# Altium PCB Zeropilot 2.0.PcbDoc (part 2 of 2)
Units mil, origin at the board's own origin, x right, y up, seen from the top; angles counter-clockwise.
Board outline 2992.13 x 3346.46 mil, 4 copper layers (Top Layer, Layer 1, Layer 2, Bottom Layer), stack 23.756 mil thick; 158 components, 93 nets, 579 pads, 323 vias.
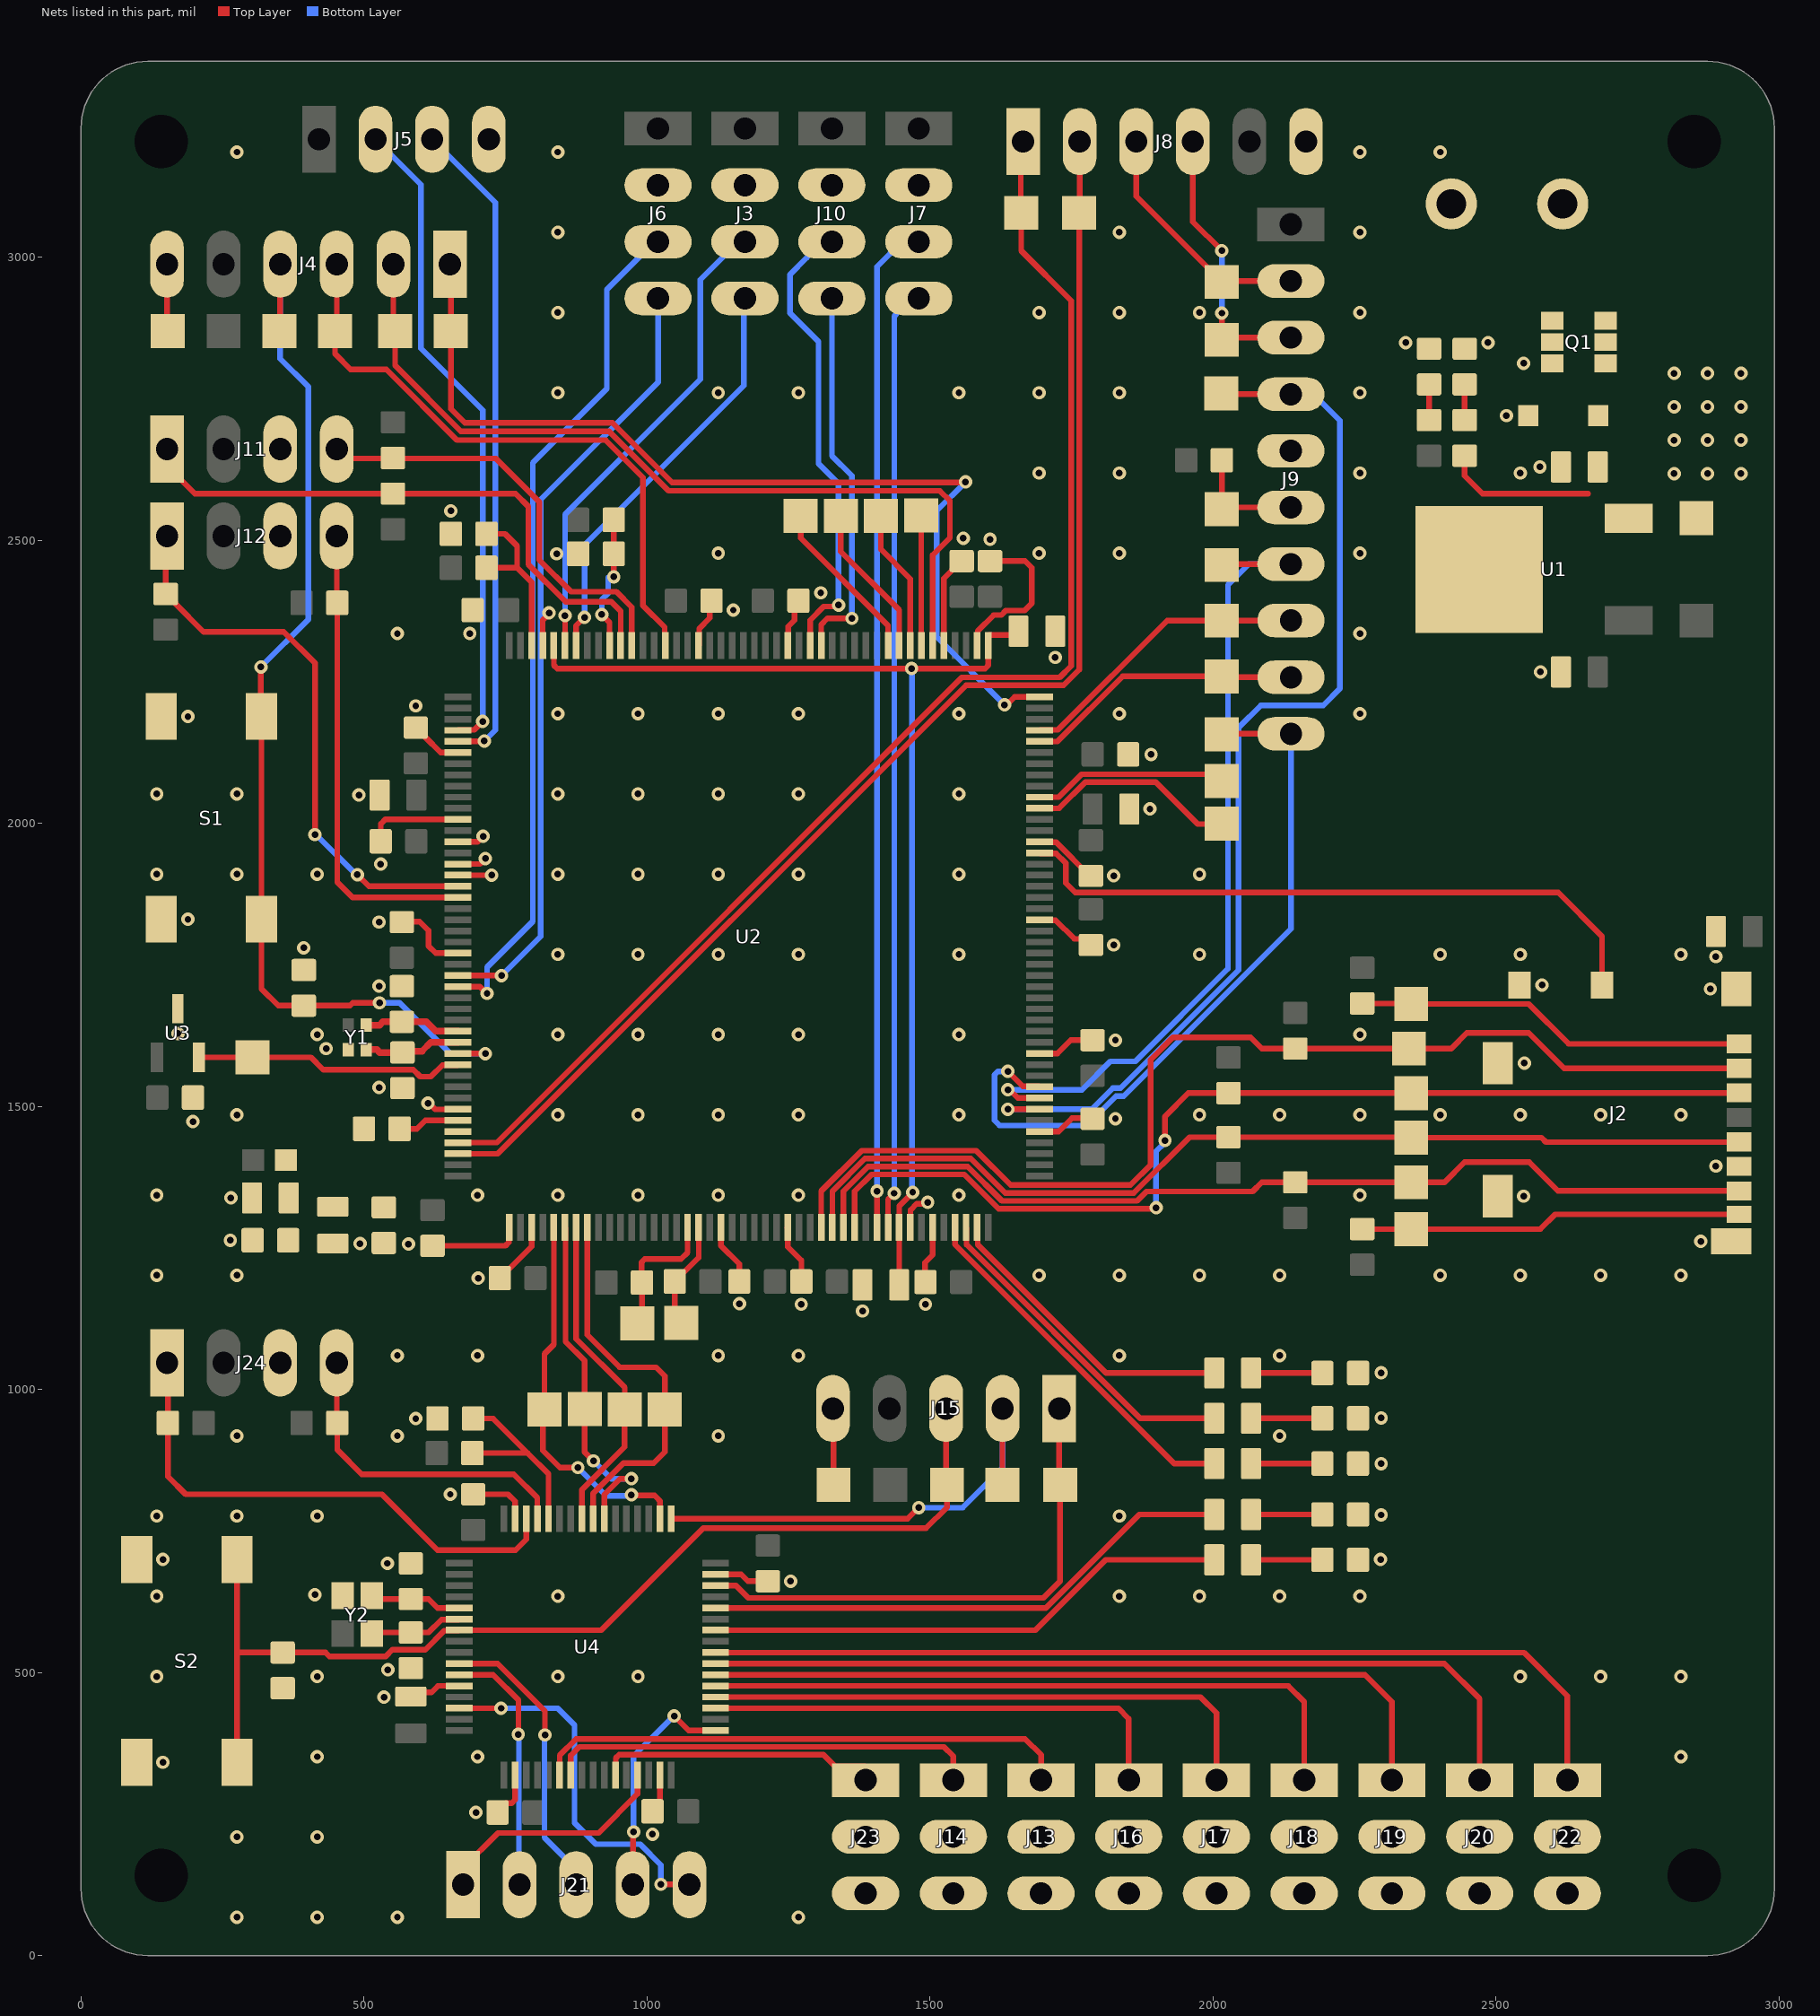
[diagram p4: the nets of this part, all layers, seen from the top]

## Via types
v1: diameter 23.62, hole 11.81, Top Layer to Bottom Layer, tented both sides, 271 vias
v2: diameter 23.62, hole 11.81, Top Layer to Layer 1, tented both sides, 25 vias
v3: diameter 23.62, hole 11.81, Top Layer to Layer 2, tented both sides, 22 vias
v4: diameter 23.62, hole 11.81, Top Layer to Bottom Layer, 5 vias

## Nets (pads, with @x,y where several pads share a name; then routed paths per layer and width w, separated by ;. In a path a pad name is that pad's centre, name@x,y a point inside that pad or via, vN(x,y) a via of type N, cw(c..) or ccw(c..) an arc to the next point about the centre after c; other vN are vias at no path point) (continued)
5V: C1.2 D1.2 J13.2 J14.2 J16.2 J17.2 J18.2 J19.2 J20.2 J22.2 J23.2 Q1.S R1.2 T1.1 U1.3 | length 267.3
  Top Layer w10: R1.2@2444.88,2649.61 2444.88,2614.17 2476.38,2582.68 2662.96,2582.68
  Top Layer w27.56: C1.2@2681.63,2640.29 C1.2@2682.12,2639.8
  other v1: 2814.96,2618.11 2874.02,2618.11 2933.07,2618.11 2814.96,2677.17 2874.02,2677.17 2933.07,2677.17 2814.96,2736.22 2874.02,2736.22 2933.07,2736.22 2814.96,2795.28 2874.02,2795.28 2933.07,2795.28
5V_PDB: J1.1 Q1.D
BOOT0_F0: R27.1 R28.2 U4.60 | length 350.9
  Top Layer w10: R27.1@691.5,887.76 789.41,887.76 ; R28.2@692.91,948.82 728.35,948.82 789.41,887.76 ; U4.60@826.1,771.77 826.1,851.06 789.41,887.76
BOOT0_H7: R15.1 R17.2 U2.167 | length 231.5
  Top Layer w10: v1(920.28,2369.09) 933.94,2355.43 U2.167@933.94,2314.17 ; v1(941.34,2435.63) R17.2@941.34,2476.38 R15.1@941.34,2536.38
  Bottom Layer w10: v1(920.28,2369.09) 920.28,2395.67 931.5,2406.89 v1@931.5,2434.65
GND: C1.1 C2.1 C3.1 C4.1 C5.1 C6.1 C7.1 C8.1 C9.1 C10.1 C11.1 C12.1 C13.1 C14.1 C15.1 C16.1 C17.1 C18.1 C19.1 C20.1 C21.1 C22.1 C23.1 C24.1 C25.1 C26.1 C27.1 C28.1 C29.1 C30.1 C31.1 C32.1 C33.1 C34.1 C35.1 C36.1 C37.1 C38.1 C39.1 C40.1 C41.1 D1.1 D2.2 D3.2 D4.2 D5.2 D6.2 D7.2 D8.2 J1.2 J2.6 J2.10 J2.G1 J2.G2 J2.G3 J2.G4 J3.2 J4.6 J5.4 J6.2 J7.2 J8.6 J9.5 J10.2 J11.3 J12.3 J13.3 J14.3 J15.5 J16.3 J17.3 J18.3 J19.3 J20.3 J22.3 J23.3 J24.3 Q1.G R16.1 R17.1 R28.1 S1.3 S1.4 S2.3 S2.4 T9.1 T30.1 U1.2 U2.6 U2.12 U2.14 U2.16 U2.17 U2.24 U2.38 U2.45 U2.47 U2.64 U2.70 U2.81 U2.83 U2.93 U2.100 U2.112 U2.119 U2.134 U2.137 U2.151 U2.159 U2.173 U3.3 U4.12 U4.18 U4.31 U4.47 U4.63 Y1.2 Y2.2 | length 3219.5
  Top Layer w10: S1.3@141.73,1814.29 S1.3@157.83,1830.39 ; J4.6@151.97,2988.19 151.97,2871.65 T9.1@153.54,2870.08 ; S1.4@157.83,2188.66 S1.4@158.15,2188.98 ; U3.3@171.31,1672.87 U3.3@171.35,1672.91 ; C30.1@198.23,1516.14 C30.1@198.82,1516.73 ; C13.1@527.56,2050.2 C13.1@529.33,2051.97 ; C5.1@529.53,1968.5 529.81,1968.79 529.81,1999.3 537.6,2007.09 U2.12@666.22,2007.09 ; C29.1@535,1258.9 C29.1@535.94,1259.84 ; C33.1@565.94,1713.58 C33.1@566.93,1712.6 ; C6.1@565.94,1826.77 C6.1@566.93,1825.79 567.91,1826.77 598.43,1826.77 614.17,1811.02 614.17,1783.46 626.77,1770.87 U2.24@666.22,1770.87 ; C32.1@566.93,1533.46 C32.1@567.91,1532.48 ; C40.1@580.66,505.85 C40.1@582.68,507.87 ; C37.1@581.69,456.69 C37.1@582.68,457.68 589.97,464.97 619.38,464.97 630.91,476.5 U4.12@668.62,476.5 ; C4.1@590.55,2170.28 C4.1@591.54,2169.29 593.5,2169.29 608.19,2154.61 608.19,2152.64 635.55,2125.27 666.15,2125.27 U2.6@666.22,2125.2 ; C7.1@608.18,1241.05 C7.1@621.06,1253.94 750.01,1253.94 755.87,1259.8 755.87,1285.71 U2.45@756.77,1286.61 ; v2(613.19,1505.91) 614.93,1505.91 625.86,1494.98 U2.38@665.93,1494.98 ; R28.1@628.55,956.69 R28.1@629.24,956.01 ; R16.1@653.5,2525.39 R16.1@653.54,2525.43 ; U2.14@665.32,1966.81 U2.14@666.22,1967.72 700.98,1967.72 v1(710.63,1977.36) ; U2.17@666.22,1908.66 v1(725.59,1908.66) ; U2.16@666.22,1928.35 704.92,1928.35 v1(714.57,1937.99) ; C26.1@688.09,2373.12 C26.1@691.93,2376.97 ; C34.1@692.91,814.96 754.57,814.96 767.03,802.5 U4.63@767.05,771.77 ; C38.1@736.22,250.98 C38.1@736.22,252.95 736.22,254.92 750.91,269.61 761.19,269.61 767.05,275.46 U4.18@767.05,319.02 ; C8.1@740.16,1196.85 740.16,1198.82 754.84,1213.5 756.7,1213.5 796.14,1252.95 U2.47@796.14,1286.61 U2.47@795.24,1285.71 ; U2.173@815.83,2314.17 815.83,2359.38 827.12,2370.67 v2(827.12,2372.05) ; R17.1@877.36,2475.39 R17.1@878.35,2476.38 ; C35.1@1007.87,251.97 C35.1@1010.33,254.43 ; C35.1@1009.84,254.92 1022.95,268.03 U4.31@1022.95,319.02 ; U2.159@1091.42,2314.17 1092.32,2315.08 1092.32,2344.29 1110.94,2362.91 1110.94,2390.46 C25.1@1114.17,2393.7 ; C25.1@1114.17,2392.2 C25.1@1118.05,2388.32 ; U4.47@1121.38,673.35 1121.45,673.42 1166.39,673.42 1178.4,661.42 C36.1@1213.58,661.42 C36.1@1214.57,662.4 ; U2.64@1130.79,1286.61 1130.79,1254.06 1163.1,1221.74 1163.1,1191.23 C9.1@1163.39,1190.94 C9.1@1162.4,1189.96 ; U2.70@1247.99,1285.71 U2.70@1248.9,1286.61 1248.9,1252.09 1272.91,1228.07 C10.1@1272.91,1190.83 ; U2.151@1248.9,2314.17 1249.8,2315.08 1249.8,2348.23 1260.54,2358.97 C24.1@1260.54,2393.7 ; C24.1@1267.72,2393.7 C24.1@1271.11,2397.09 ; T30.1@1319.88,831.69 1321.13,834.97 T30.1@1324.17,842.97 ; J15.5@1328.54,966.54 1329.72,965.35 T30.1@1329.72,831.69 ; C17.1@1380.91,1185.04 C17.1@1381.89,1184.06 ; U2.81@1465.43,1286.61 1465.71,1286.89 1465.71,1317.08 1476.6,1327.98 1493.58,1327.98 v1(1496.19,1330.59) ; C11.1@1492.13,1189.96 1491.14,1190.94 1491.14,1224.41 1504.8,1238.07 U2.83@1504.8,1286.61 ; U2.137@1524.49,2314.17 1524.49,2432.95 1539.45,2447.91 1539.45,2449.88 1541.34,2451.77 C23.1@1556.1,2451.77 ; U2.134@1583.54,2314.17 1584.45,2315.08 1584.45,2340.24 1612.32,2368.11 1625.98,2368.11 1634,2376.13 1667.46,2376.13 1680.12,2388.78 1680.12,2451.77 1668.31,2463.58 C27.1@1606.3,2463.58 ; U2.93@1693.78,1455.91 1727.56,1455.91 1750.98,1479.33 1786.42,1479.33 C18.1@1787.4,1478.35 ; U2.100@1693.78,1593.7 1693.98,1593.5 1725.39,1593.5 1749.02,1617.13 C19.1@1787.4,1617.13 ; U2.112@1693.78,1829.92 1694.68,1829.02 1722.13,1829.02 1754.96,1796.19 1773.69,1796.19 C20.1@1784.45,1785.43 ; U2.119@1693.78,1967.72 1694.68,1966.81 1723.15,1966.81 1782.48,1907.48 C21.1@1784.45,1907.48 ; D8.2@2256.5,699.21 D8.2@2257.09,699.8 ; D7.2@2256.5,779.21 D7.2@2257.17,778.54 ; D4.2@2256.5,869.21 D4.2@2256.61,869.09 ; D5.2@2256.5,949.21 D5.2@2257.09,949.8 ; D6.2@2256.5,1029.21 D6.2@2256.81,1029.53 ; Q1.G@2590.55,2804.21 Q1.G@2599.27,2812.93
  other v1: 275.59,67.91 417.32,67.91 559.06,67.91 1267.72,67.91 275.59,209.65 417.32,209.65 1009.84,214.57 697.83,252.95 144.68,341.54 417.32,351.38 700.79,351.38 2826.77,351.38 535.43,456.69 133.86,493.11 417.32,493.11 842.52,493.11 984.25,493.11 2543.31,493.11 2685.04,493.11 2826.77,493.11 133.86,634.84 842.52,634.84 1834.65,634.84 1976.38,634.84 2118.11,634.84 2259.84,634.84 1253.94,661.42 144.68,699.8 133.86,776.58 275.59,776.58 417.32,776.58 1834.65,776.58 652.56,814.96 275.59,918.31 559.06,918.31 1125.98,918.31 2118.11,918.31 559.06,1060.04 700.79,1060.04 1125.98,1060.04 1267.72,1060.04 1834.65,1060.04 2118.11,1060.04 701.77,1196.85 133.86,1201.77 275.59,1201.77 1692.91,1201.77 1834.65,1201.77 1976.38,1201.77 2118.11,1201.77 2401.58,1201.77 2543.31,1201.77 2685.04,1201.77 2826.77,1201.77 2862.2,1261.81 2549.21,1341.54 133.86,1343.5 700.79,1343.5 842.52,1343.5 984.25,1343.5 1125.98,1343.5 1267.72,1343.5 1551.18,1343.5 2259.84,1343.5 2888.78,1394.68 197.83,1473.43 1827.76,1478.35 275.59,1485.24 842.52,1485.24 984.25,1485.24 1125.98,1485.24 1267.72,1485.24 1551.18,1485.24 1976.38,1485.24 2118.11,1485.24 2259.84,1485.24 2401.58,1485.24 2543.31,1485.24 2685.04,1485.24 2826.77,1485.24 2550.2,1576.77 1827.76,1617.13 417.32,1626.97 842.52,1626.97 984.25,1626.97 1125.98,1626.97 1267.72,1626.97 1551.18,1626.97 2259.84,1626.97 171.26,1628.94 2878.94,1707.68 2581.69,1714.57 2888.78,1764.76 842.52,1768.7 984.25,1768.7 1125.98,1768.7 1267.72,1768.7 1551.18,1768.7 1976.38,1768.7 2401.58,1768.7 2543.31,1768.7 2826.77,1768.7 1824.8,1785.43 526.57,1825.79 188.98,1830.71 1824.8,1907.48 133.86,1910.43 275.59,1910.43 417.32,1910.43 842.52,1910.43 984.25,1910.43 1125.98,1910.43 1267.72,1910.43 1551.18,1910.43 1976.38,1910.43 529.53,1928.15 1888.78,2025.59 491.14,2050.2 133.86,2052.17 275.59,2052.17 842.52,2052.17 984.25,2052.17 1125.98,2052.17 1267.72,2052.17 1551.18,2052.17 1890.75,2122.05 188.98,2188.98 842.52,2193.9 984.25,2193.9 1125.98,2193.9 1267.72,2193.9 1551.18,2193.9 1834.65,2193.9 2259.84,2193.9 591.54,2207.68 2578.74,2267.72 1721.46,2293.31 559.06,2335.63 687.01,2335.63 2259.84,2335.63 1152.56,2376.97 1307.09,2407.48 1125.98,2477.36 1692.91,2477.36 1834.65,2477.36 2259.84,2477.36 1606.3,2501.97 1559.06,2503.94 1692.91,2619.09 1834.65,2619.09 2259.84,2619.09 2543.31,2619.09 2577.76,2629.92 2518.7,2720.47 842.52,2760.83 1125.98,2760.83 1267.72,2760.83 1551.18,2760.83 1692.91,2760.83 1834.65,2760.83 2259.84,2760.83 2549.21,2812.99 2340.55,2849.41 2486.22,2849.41 842.52,2902.56 1692.91,2902.56 1834.65,2902.56 1976.38,2902.56 2259.84,2902.56 842.52,3044.29 1834.65,3044.29 2259.84,3044.29 275.59,3186.02 842.52,3186.02 2259.84,3186.02 2401.58,3186.02
  other v2: 542.32,504.92 413.39,637.8 541.34,692.91 2296.26,699.8 2297.24,778.54 2297.24,869.09 591.54,948.82 2297.24,949.8 2297.24,1029.53 1380.91,1138.78 1272.64,1150.59 1492.13,1150.59 1163.39,1151.57 578.74,1256.89 493.11,1257.87 263.78,1263.78 264.76,1338.58 526.57,1533.46 433.07,1602.36 526.57,1712.6 393.7,1780.51 840.55,2476.38 653.54,2552.17
I2C4_SCL_H7: R24.1 T41.1 U2.61 | length 244.2
  Top Layer w10: T41.1@983.27,1117.13 991.14,1125 R24.1@991.14,1188.98 990.44,1189.68 990.44,1224.74 996.3,1230.6 1060.32,1230.6 1071.73,1242.01 U2.61@1071.73,1286.61
I2C4_Sda_H7: R25.1 T42.1 U2.62 | length 215.2
  Top Layer w10: T42.1@1060.53,1101.38 T42.1@1061.52,1102.36 ; T42.1@1060.53,1117.62 1049.21,1128.94 R25.1@1049.21,1190.94 1091.42,1233.15 U2.62@1091.42,1286.61 ; T42.1@1061.52,1118.6 T42.1@1061.52,1141.24
LED1_F0: R30.2 U4.42 | length 932.6
  Top Layer w10: U4.42@1121.38,574.92 1686.14,574.92 1810.43,699.21 R30.2@2002.52,699.21
LED1_H7: R11.2 U2.85 | length 648.8
  Top Layer w10: U2.85@1544.17,1286.61 1544.55,1286.24 1544.55,1256.25 1931.59,869.21 R11.2@2002.52,869.21
LED2_F0: R29.2 U4.44 | length 949.5
  Top Layer w10: U4.44@1121.38,614.29 1704.84,614.29 1869.76,779.21 R29.2@2002.52,779.21
LED2_H7: R12.2 U2.86 | length 595.9
  Top Layer w10: U2.86@1563.86,1286.61 1564.76,1285.71 1564.76,1255.83 1871.39,949.21 R12.2@2002.52,949.21
LED3_H7: R13.2 U2.87 | length 543
  Top Layer w10: U2.87@1583.54,1286.61 1584.45,1285.71 1584.45,1255.95 1811.18,1029.21 R13.2@2002.52,1029.21
NetC16_2: C16.2 C17.2 U2.80 U2.133 U2.172 | length 1993.3
  Top Layer w10: U2.172@835.51,2314.17 835.51,2279.48 841.37,2273.62 1597.37,2273.62 1603.23,2279.48 1603.23,2331.89 1604.13,2332.8 1649.72,2332.8 C16.2@1656.5,2339.57 ; C17.2@1446.85,1207.68 1445.75,1208.78 1445.75,1324.35 1469.6,1348.2 v1(1469.6,1348.64)
  Bottom Layer w10: v1(1467.52,2273.62) 1468.56,2272.58 1468.56,1349.68 v1(1469.6,1348.64)
NetC31_2: C31.2 J4.4 S1.1 S1.2 T11.1 U2.33 | length 1952.4
  Top Layer w10: v1(317.91,2276.57) 317.91,2189.96 S1.2@318.9,2188.98 S1.1@318.9,1830.71 318.9,1707.68 348.42,1678.15 C31.2@393.7,1678.15 475.39,1678.15 480.32,1683.07 v1(527.56,1683.07) ; T11.1@351.38,2869.09 T11.1@350.39,2870.08 349.61,2870.87 351.97,2873.23 J4.4@351.97,2988.19 ; U2.33@666.22,1593.7 666.32,1593.6 714.47,1593.6 v1(714.57,1593.5)
  Bottom Layer w10: v1(317.91,2276.57) 401.57,2360.24 401.57,2771.65 351.97,2821.26 J4.4@351.97,2988.19 ; v1(527.56,1683.07) 562.99,1683.07 652.56,1593.5 v1(714.57,1593.5)
NetC32_2: C32.2 U2.32 Y1.3 | length 171.7
  Top Layer w11.81: Y1.3@503.94,1600.39 522.64,1600.39 527.56,1595.47 C32.2@567.91,1595.47 570.33,1597.89 602.66,1597.89 618.15,1613.39 U2.32@666.22,1613.39
NetC33_2: C33.2 U2.31 Y1.4 | length 171.6
  Top Layer w11.81: Y1.4@503.94,1643.7 527.56,1643.7 533.46,1649.61 C33.2@566.93,1649.61 610.24,1649.61 626.77,1633.07 U2.31@666.22,1633.07
NetC39_2: C39.2 J15.3 S2.1 S2.2 T32.1 U4.7 | length 1900
  Top Layer w10: S2.1@275.59,341.54 275.59,535.43 ; S2.2@275.59,699.8 275.59,535.43 ; J15.3@1528.54,966.54 1528.54,833.23 T32.1@1530.08,831.69 1530.08,791.89 1493.25,755.06 1099.55,755.06 919.41,574.92 U4.7@668.62,574.92 667.72,574.02 641.93,574.02 608.27,540.35 550.2,540.35 538.39,528.54 438.98,528.54 432.09,535.43 C39.2@356.3,535.43 275.59,535.43
NetC40_2: C40.2 U4.6 Y2.4 | length 165.5
  Top Layer w10: Y2.4@513.78,568.9 515.75,570.87 614.06,570.87 636.89,593.7 667.72,593.7 U4.6@668.62,594.61
NetC41_2: C41.2 U4.5 Y2.3 | length 163.8
  Top Layer w10: Y2.3@513.78,635.83 519.69,629.92 614.17,629.92 629.8,614.29 U4.5@668.62,614.29
NetD2_1: D2.1 R1.1 | length 63
  Top Layer w10: R1.1@2444.88,2712.6 D2.1@2444.88,2775.59
NetD3_1: D3.1 R2.1 | length 63
  Top Layer w10: R2.1@2381.89,2712.6 D3.1@2381.89,2775.59
NetD4_1: D4.1 R11.1 | length 126
  Top Layer w10: R11.1@2067.48,869.21 D4.1@2193.5,869.21
NetD5_1: D5.1 R12.1 | length 126
  Top Layer w10: R12.1@2067.48,949.21 D5.1@2193.5,949.21
NetD6_1: D6.1 R13.1 | length 126
  Top Layer w10: R13.1@2067.48,1029.21 D6.1@2193.5,1029.21
NetD7_1: D7.1 R29.1 | length 126
  Top Layer w10: R29.1@2067.48,779.21 D7.1@2193.5,779.21
NetD8_1: D8.1 R30.1 | length 126
  Top Layer w10: R30.1@2067.48,699.21 D8.1@2193.5,699.21
NetJ2_1: J2.1 R7.1 T7.1 | length 699.3
  Top Layer w10: R7.1@2259.84,1682.09 2349.41,1682.09 T7.1@2350.39,1681.1 2558.07,1681.1 2628.44,1610.73 J2.1@2929.63,1610.73
NetJ2_2: J2.2 R8.1 T8.1 U2.73 | length 1994.9
  Top Layer w10: U2.73@1307.95,1286.61 1307.95,1350.62 1379.26,1421.92 1582.02,1421.92 1642.72,1361.22 1854.33,1361.22 1889.76,1396.65 1889.76,1582.68 1929.13,1622.05 2066.93,1622.05 2086.61,1602.36 R8.1@2145.67,1602.36 ; R8.1@2153.54,1602.36 2185.04,1602.36 2350.39,1602.36 2421.26,1602.36 2448.82,1629.92 2558.07,1629.92 2620.57,1567.42 J2.2@2929.63,1567.42
NetJ2_3: J2.3 R4.1 T4.1 U2.76 | length 1833
  Top Layer w10: U2.76@1367.01,1286.61 1367.01,1350.28 1396.65,1379.92 1560.8,1379.92 1621.5,1319.22 1897.65,1319.22 v1(1899.68,1321.26) ; v1(1915.35,1439.96) 1915.35,1482.28 1956.69,1523.62 R4.1@2027.56,1523.62 T4.1@2350.39,1523.62 J2.3@2929.13,1523.62
  Bottom Layer w10: v1(1899.68,1321.26) 1899.68,1420.61 1915.35,1436.27 v1(1915.35,1439.96)
NetJ2_5: J2.5 R3.1 T3.1 U2.74 | length 1759.1
  Top Layer w10: U2.74@1327.64,1286.61 1327.64,1350.5 1385.06,1407.92 1572.39,1407.92 1633.09,1347.22 1860.13,1347.22 1958.78,1445.87 2007.87,1445.87 R3.1@2027.56,1445.87 2279.53,1445.87 T3.1@2350.39,1445.87 ; T3.1@2350.39,1444.88 2580.71,1444.88 2588.58,1437.01 2929.13,1437.01 J2.5@2929.63,1437.5
NetJ2_7: J2.7 R5.1 T5.1 U2.75 | length 1730.7
  Top Layer w10: U2.75@1347.32,1286.61 1347.32,1350.39 1390.85,1393.92 1566.59,1393.92 1627.3,1333.22 1865.93,1333.22 1882.53,1349.82 2070.29,1349.82 2086.61,1366.14 R5.1@2145.67,1366.14 ; R5.1@2153.54,1366.14 T5.1@2350.39,1366.14 2409.45,1366.14 2444.88,1401.57 2559.06,1401.57 2609.74,1350.89 J2.7@2929.63,1350.89
NetJ2_8: J2.8 R6.1 T6.1 | length 672.7
  Top Layer w10: R6.1@2267.72,1283.46 T6.1@2350.39,1283.46 2578.74,1283.46 2604.82,1309.55 J2.8@2929.63,1309.55
NetJ2_9: J2.9 U2.118 | length 1161.7
  Top Layer w10: U2.118@1693.78,1948.03 1694.68,1947.13 1723.04,1947.13 1740.16,1930 1740.16,1894.68 1756.89,1877.95 2610.24,1877.95 2687.5,1800.69 J2.9@2687.5,1714.47
NetJ3_3: J3.3 U2.171 | length 854.7
  Top Layer w10: U2.171@855.2,2314.17 855.26,2314.23 v1(855.32,2367.13) v1(855.32,2367.13)
  Bottom Layer w10: v1(855.32,2367.13) 855.32,2545.69 1094.49,2784.86 1094.49,2960.48 1134.1,3000.09 1134.1,3004.75 1156.9,3027.56 J3.3@1173.23,3027.56
NetJ3_4: J3.4 U2.170 | length 737
  Top Layer w10: U2.170@874.88,2314.17 U2.170@874.88,2314.17 874.94,2349.35 v1(889.76,2364.17)
  Bottom Layer w10: v1(889.76,2364.17) 889.76,2492.13 1171.35,2773.71 1171.35,2925.68 J3.4@1173.23,2927.56
NetJ4_1: J4.1 T14.1 U2.132 | length 1752.5
  Top Layer w10: J4.1@651.97,2988.19 653.54,2986.61 T14.1@653.54,2870.08 653.54,2732.28 678.15,2707.68 938.98,2707.68 1044.29,2602.36 1562.01,2602.36 v1(1562.99,2603.35) ; v1(1631.89,2209.65) 1635.58,2209.65 1649.55,2223.62 U2.132@1693.78,2223.62
  Bottom Layer w10: v1(1562.99,2603.35) 1511.81,2552.17 1511.81,2329.72 v1(1631.89,2209.65)
NetJ4_2: J4.2 T13.1 U2.138 | length 1528.2
  Top Layer w10: J4.2@551.97,2988.19 551.97,2873.23 T13.1@555.12,2870.08 555.12,2809.06 671.26,2692.91 933.07,2692.91 1038.39,2587.6 1517.72,2587.6 1535.43,2569.88 1535.43,2504.92 1504.8,2474.29 U2.138@1504.8,2314.17
NetJ4_3: J4.3 T12.1 U2.162 | length 1107.9
  Top Layer w10: J4.3@451.97,2988.19 451.97,2873.23 T12.1@448.82,2870.08 448.82,2829.72 476.38,2802.17 539.37,2802.17 664.37,2677.17 927.17,2677.17 993.11,2611.22 993.11,2384.84 1031.46,2346.5 1031.46,2315.08 U2.162@1032.36,2314.17
NetJ6_3: J6.3 U2.27 | length 1512.9
  Top Layer w10: U2.27@666.22,1711.81 704.84,1711.81 716.85,1699.8 v1(717.52,1699.8)
  Bottom Layer w10: v1(717.52,1699.8) 717.52,1746.06 798.39,1826.93 798.39,2636.97 929.13,2767.72 929.13,2943.28 1013.41,3027.56 J6.3@1019.68,3027.56
NetJ6_4: J6.4 U2.26 | length 1387.8
  Top Layer w10: U2.26@666.22,1731.5 666.32,1731.4 743.01,1731.4 v1(743.11,1731.3)
  Bottom Layer w10: v1(743.11,1731.3) 812.39,1800.57 812.39,2572.23 1019.68,2779.53 J6.4@1019.68,2927.56
NetJ7_3: J7.3 U2.78 | length 1789
  Top Layer w10: U2.78@1406.38,1286.61 1406.44,1286.67 1406.44,1350.33 v1(1406.5,1350.39)
  Bottom Layer w10: v1(1406.5,1350.39) 1406.5,2983.43 1450.63,3027.56 J7.3@1480.32,3027.56
NetJ7_4: J7.4 U2.79 | length 1673
  Top Layer w10: U2.79@1426.06,1286.61 1426.06,1335.76 v1(1437.01,1346.71)
  Bottom Layer w10: v1(1437.01,1346.71) 1437.01,2896.03 1441.18,2900.21 1441.18,2904.75 1463.99,2927.56 J7.4@1480.32,2927.56
NetJ10_3: J10.3 U2.149 | length 822.8
  Top Layer w10: U2.149@1288.27,2314.17 1288.27,2359.13 1312.35,2383.22 1335.98,2383.22 v1(1338.58,2385.83)
  Bottom Layer w10: J10.3@1326.77,3027.56 1310.45,3027.56 1282.33,2999.44 1282.33,2999.12 1252.95,2969.75 1252.95,2901.57 1303.15,2851.38 1303.15,2635.83 1338.58,2600.39 v1@1338.58,2386.68
NetJ10_4: J10.4 U2.148 | length 675.9
  Top Layer w10: U2.148@1307.95,2314.17 1307.98,2351.28 1318.9,2362.2 v1(1362.2,2362.2)
  Bottom Layer w10: J10.4@1326.77,2927.56 1326.77,2649.61 1362.2,2614.17 v1(1362.2,2362.2)
NetJ11_1: J11.1 R18.1 U2.166 | length 1058.5
  Top Layer w10: J11.1@151.97,2661.42 151.97,2631.73 176.65,2607.05 201.02,2582.68 R18.1@551.18,2582.68 767.72,2582.68 790.35,2560.04 790.35,2457.68 856.3,2391.73 937.01,2391.73 953.62,2375.12 U2.166@953.62,2314.17
NetJ11_4: J11.4 R19.1 U2.165 | length 766.1
  Top Layer w10: J11.4@451.97,2661.42 468.57,2644.82 R19.1@552.03,2644.82 ; R19.1@551.18,2645.67 R19.1@552.03,2644.82 ; U2.165@973.31,2314.17 973.31,2382.01 945.87,2409.45 866.14,2409.45 810.04,2465.55 810.04,2567.91 733.13,2644.82 R19.1@552.03,2644.82
NetJ12_1: J12.1 R20.1 U2.18 | length 1012.7
  Top Layer w10: J12.1@151.97,2507.87 149.61,2505.51 R20.1@149.61,2405.51 151.57,2405.51 166.26,2390.83 166.26,2388.86 216.54,2338.58 358.27,2338.58 413.39,2283.46 v1(413.39,1980.32) ; v1(488.19,1909.45) 488.19,1909.32 508.53,1888.98 U2.18@666.22,1888.98
  Bottom Layer w10: v1(413.39,1980.32) 415.35,1980.32 486.22,1909.45 v1(488.19,1909.45)
NetJ12_4: J12.4 R21.1 U2.19 | length 836.3
  Top Layer w10: R21.1@451.97,2389.76 J12.4@451.97,2507.87 ; R21.1@452.76,2389.76 452.76,1896.24 479.71,1869.29 U2.19@666.22,1869.29
NetJ13_1: J13.1 U4.22 | length 953.7
  Top Layer w10: U4.22@845.79,319.02 845.79,353.78 874.86,382.85 1668.21,382.85 1696.38,354.69 J13.1@1696.38,310
NetJ14_1: J14.1 U4.23 | length 766
  Top Layer w10: U4.23@865.47,319.02 865.47,353.66 880.66,368.85 1524.85,368.85 1541.38,352.32 J14.1@1541.38,310
NetJ15_1: J15.1 T34.1 U4.46 | length 935.8
  Top Layer w10: U4.46@1121.38,653.66 1157.36,653.66 1179.13,631.89 1700.79,631.89 1730.08,661.18 T34.1@1730.08,831.69 1728.54,833.23 J15.1@1728.54,966.54
NetJ15_2: J15.2 T33.1 U4.49 | length 862.3
  Top Layer w10: U4.49@1042.64,771.77 1460.75,771.77 v1(1480.32,791.34) ; T33.1@1628.08,831.69 J15.2@1628.08,966.07
  Bottom Layer w10: v1(1480.32,791.34) 1558.07,791.34 1628.54,861.81 J15.2@1628.54,966.54
NetJ16_1: J16.1 U4.35 | length 846.3
  Top Layer w10: U4.35@1121.38,437.13 1832.87,437.13 1851.38,418.62 J16.1@1851.38,310
NetJ17_1: J17.1 U4.36 | length 1015.3
  Top Layer w10: U4.36@1121.38,456.81 1978.19,456.81 2006.38,428.62 J17.1@2006.38,310
NetJ18_1: J18.1 U4.37 | length 1190.2
  Top Layer w10: U4.37@1121.38,476.5 2133.5,476.5 2161.38,448.62 J18.1@2161.38,310
NetJ19_1: J19.1 U4.38 | length 1353.3
  Top Layer w10: U4.38@1121.38,496.18 2268.82,496.18 2316.38,448.62 J19.1@2316.38,310
NetJ20_1: J20.1 U4.39 | length 1519.4
  Top Layer w10: U4.39@1121.38,515.87 2409.13,515.87 2471.38,453.62 J20.1@2471.38,310
NetJ21_1: J21.1 U4.29 | length 425.7
  Top Layer w10: J21.1@675,125.39 675,155.08 736.46,216.54 914.37,216.54 983.58,285.75 U4.29@983.58,319.02
NetJ21_2: J21.2 U4.11 | length 450.1
  Top Layer w10: U4.11@668.62,496.18 728.23,496.18 772.98,451.43 772.98,391.09 v1(772.64,390.75)
  Bottom Layer w10: v1(772.64,390.75) 773.82,389.57 773.82,126.57 J21.2@775,125.39
NetJ21_3: J21.3 U4.10 | length 536
  Top Layer w10: U4.10@668.62,515.87 736.1,515.87 819.88,432.09 v1(819.88,389.76) ; J21.3@875,125.39 J21.3@875,145.1
  Bottom Layer w10: v1(819.88,389.76) 818.9,388.78 818.9,208.66 875,152.56 J21.3@875,125.39
NetJ21_4: J21.4 U4.33 | length 412.4
  Top Layer w10: J21.4@975,125.39 975.69,126.08 975.69,217.97 v1(976.38,218.66) ; v1(1048.23,423.23) 1073.7,397.76 U4.33@1121.38,397.76
  Bottom Layer w10: v1(976.38,218.66) 976.38,352.36 1047.24,423.23 v1(1048.23,423.23)
NetJ21_5: J21.5 U4.14 | length 657
  Top Layer w10: U4.14@668.62,437.13 668.68,437.07 742.07,437.07 v1(742.13,437.01) ; v1(1024.61,125.98) 1074.41,125.98 J21.5@1075,125.39
  Bottom Layer w10: v1(742.13,437.01) 842.52,437.01 872.05,407.48 872.05,234.25 909.45,196.85 987.94,196.85 1024.61,160.18 v1(1024.61,125.98)
NetJ22_1: J22.1 U4.40 | length 1685.5
  Top Layer w10: U4.40@1121.38,535.55 1121.72,535.21 2549.79,535.21 2626.38,458.62 J22.1@2626.38,310
NetJ23_1: J23.1 U4.27 | length 516.1
  Top Layer w10: U4.27@944.21,319.02 944.98,319.78 944.98,348.99 950.83,354.85 1311.84,354.85 1332.01,334.69 1385.31,334.69 J23.1@1409.85,310.15
NetJ24_1: J24.1 R22.1 U4.62 | length 932.5
  Top Layer w10: J24.1@151.97,1047.24 153.54,1045.67 R22.1@153.54,940.94 153.54,846.46 185.04,814.96 531.5,814.96 629.92,716.54 767.72,716.54 786.73,735.55 U4.62@786.73,771.77
NetJ24_4: J24.4 R23.1 U4.61 | length 579.6
  Top Layer w10: J24.4@451.97,1047.24 451.97,941.73 R23.1@452.76,940.94 452.76,893.7 496.06,850.39 764.61,850.39 806.42,808.58 U4.61@806.42,771.77
NetR10_1: R10.1 U2.39 | length 109.4
  Top Layer w10: R10.1@562.99,1460.63 593.5,1460.63 608.46,1475.59 U2.39@666.22,1475.59
PC0: T25.1 U2.34 U3.2 | length 491.2
  Top Layer w10: U3.2@202.35,1594.8 202.35,1592.91 U3.2@208.35,1586.91 T25.1@303.15,1586.91 406.2,1586.91 428.15,1564.96 587.19,1564.96 599.43,1552.72 618.17,1552.72 638.56,1573.11 665.32,1573.11 U2.34@666.22,1574.02
PDR_ON: R14.1 R16.2 U2.174 | length 306.6
  Top Layer w10: R14.1@716.5,2451.61 770.57,2451.61 ; R14.1@716.5,2465.39 R14.1@718.55,2463.34 ; R16.2@716.5,2511.61 749.21,2511.61 770.57,2490.25 770.57,2451.61 ; U2.174@796.14,2314.17 796.14,2426.05 770.57,2451.61
RESTORE_VN: J9.6 R9.1 T19.1 | length 218
  Top Layer w10: T19.1@2000,2555.12 T19.1@2001.73,2556.85 ; T19.1@2015.75,2555.12 2018.9,2558.27 J9.6@2137.8,2558.27 ; R9.1@2015.75,2653.54 2015.75,2566.93 T19.1@2019.68,2570.87
RX1_RS232_VN: J8.4 J9.3 T21.1 | length 500.8
  Top Layer w10: J8.4@1964.57,3204.72 1964.57,3062.99 v1(2015.75,3011.81) ; v1(2015.75,2901.57) T21.1@2015.75,2854.33 2015.75,2850.39 2023.62,2858.27 J9.3@2137.8,2858.27
  Bottom Layer w10: v1(2015.75,2901.57) v1(2015.75,3011.81)
SPI1_MISO_H7: T28.1 U2.51 U4.57 | length 581.3
  Top Layer w10: U2.51@874.88,1286.61 874.88,1089.68 960.86,1003.71 960.86,966.33 T28.1@961.8,965.39 ; U4.57@885.16,771.77 885.16,822.92 960.63,898.39 T28.1@960.63,964.57
SPI1_MOSI_H7: T29.1 U2.52 U4.56 | length 692.8
  Top Layer w10: U2.52@894.57,1286.61 894.57,1096.58 951.77,1039.37 1015.75,1039.37 1031.5,1023.62 T29.1@1031.5,964.57 1031.5,889.76 1011.81,870.08 958.41,870.08 904.84,816.51 U4.56@904.84,771.77
SPI1_NSS_H7: T26.1 U2.49 U4.50 | length 677.7
  Top Layer w10: T26.1@816.38,964.57 816.38,892.28 846.46,862.2 v1(877.95,862.2) ; T26.1@818.9,964.57 818.9,1062.99 835.51,1079.61 U2.49@835.51,1286.61 ; v1(972.44,813.9) 973.3,813.04 1013.36,813.04 1021.47,804.93 1021.47,804.45 1022.95,802.97 U4.50@1022.95,771.77
  Bottom Layer w10: v1(877.95,862.2) 927.95,812.2 970.75,812.2 v1(972.44,813.9)
SPI1_SCK_H7: T27.1 U2.50 U4.55 | length 615.4
  Top Layer w10: U2.50@855.2,1286.61 856.1,1285.71 856.1,1084.84 889.76,1051.18 T27.1@889.76,965.39 ; T27.1@890,965.39 890,889.53 v1(905.46,874.07) ; U4.55@924.53,771.77 924.53,814.29 952.76,842.52 v1(972.44,842.52)
  Bottom Layer w10: v1(905.46,874.07) 937.01,842.52 v1(972.44,842.52)
SPI3_MISO_H7: T38.1 U2.141 | length 271.9
  Top Layer w10: T38.1@1342.52,2543.31 1342.52,2480.31 1445.75,2377.09 U2.141@1445.75,2314.17
SPI3_MOSI_H7: T39.1 U2.142 | length 293.1
  Top Layer w10: T39.1@1271.65,2543.31 1271.65,2503.94 1426.06,2349.53 U2.142@1426.06,2314.17
SPI3_NSS_H7: T40.1 U2.139 | length 213.7
  Top Layer w10: U2.139@1484.68,2330.35 T40.1@1484.68,2544.02
SPI3_SCK_H7: T37.1 U2.140 | length 250.7
  Top Layer w10: T37.1@1413.39,2543.31 1413.39,2484.25 1465.43,2432.2 U2.140@1465.43,2314.17
TIM4_CH1_H7: J9.4 T20.1 U2.95 | length 1913.4
  Top Layer w10: v1(1637.8,1495.08) 1637.89,1495.18 1693.68,1495.18 U2.95@1693.78,1495.28 ; T20.1@2014.76,2759.84 2016.34,2758.27 T20.1@2022.05,2758.27 ; T20.1@2015.75,2751.97 T20.1@2022.05,2758.27 ; J9.4@2137.8,2758.27 T20.1@2022.05,2758.27
  Bottom Layer w10: v1(1637.8,1495.08) 1785.9,1495.08 1823.15,1532.32 1836.79,1532.32 2045.28,1740.81 2045.28,2169.29 2084.65,2208.66 2194.88,2208.66 2224.41,2238.19 2224.41,2711.61 2177.76,2758.27 J9.4@2137.8,2758.27
TIM4_CH2_H7: J9.7 T18.1 U2.96 | length 1466.7
  Top Layer w10: v1(1637.8,1529.53) 1640.59,1529.53 1655.16,1514.96 U2.96@1693.78,1514.96 ; T18.1@2015.75,2456.69 2017.32,2458.27 J9.7@2137.8,2458.27
  Bottom Layer w10: v1(1637.8,1529.53) 1709.74,1529.53 1768.7,1529.53 1818.9,1579.72 1863.19,1579.72 2026.57,1743.11 2026.57,2421.26 2063.58,2458.27 J9.7@2137.8,2458.27
TIM4_CH3_H7: J9.10 T15.1 U2.97 | length 1312.7
  Top Layer w10: v1(1637.8,1562.01) 1664.25,1535.55 1692.87,1535.55 U2.97@1693.78,1534.65 ; T15.1@2015.75,2157.48 2016.71,2158.45 J9.10@2137.98,2158.45
  Bottom Layer w10: v1(1637.8,1562.01) 1637.64,1561.86 1620.03,1561.86 1614.17,1556 1614.17,1475.39 1623.03,1466.54 1777.16,1466.54 1828.95,1518.32 1842.59,1518.32 2137.98,1813.71 J9.10@2137.98,2158.45
TIM15_CH1: J5.2 U2.4 | length 1157.1
  Top Layer w10: U2.4@666.22,2164.57 667.13,2165.47 695.25,2165.47 v1(709.9,2180.12)
  Bottom Layer w10: J5.2@520.47,3208.66 600.39,3128.74 600.39,2839.57 709.9,2730.06 v1(709.9,2180.12)
TIM15_CH2: J5.3 U2.5 | length 1165.6
  Top Layer w10: U2.5@665.14,2144.78 665.63,2145.28 712.2,2145.28 v1(712.6,2145.67)
  Bottom Layer w10: J5.3@620.47,3208.66 732.28,3096.85 732.28,2164.75 713.2,2145.67 v1(712.6,2145.67)
TX1_RS232_VN: J8.3 J9.2 T22.1 | length 433.4
  Top Layer w10: J8.3@1864.57,3204.72 1864.57,3107.87 T22.1@2015.75,2956.69 2017.32,2958.27 J9.2@2137.8,2958.27
UART4_RX_H7: J8.2 T23.1 U2.42 | length 2385.1
  Top Layer w10: U2.42@666.25,1416.5 736.39,1416.5 1563.98,2244.09 1736.22,2244.09 1763.78,2271.65 T23.1@1763.78,3078.74 1764.57,3079.53 J8.2@1764.57,3204.72
UART4_TX_H7: J8.1 T24.1 U2.41 | length 2397
  Top Layer w10: U2.41@666.25,1436.19 734.42,1436.19 1556.32,2258.09 1729.55,2258.09 1749.78,2278.32 1749.78,2923.34 1661.42,3011.7 T24.1@1661.42,3078.74 1660.63,3079.53 1660.63,3201.54 J8.1@1663.81,3204.72
USART1_RX_H7: J9.8 T17.1 U2.129 | length 524.5
  Top Layer w10: U2.129@1693.78,2164.57 1694.68,2165.47 1726.38,2165.47 1919.18,2358.27 T17.1@2015.75,2358.27 2015.94,2358.46 J9.8@2137.98,2358.46
USART1_TX_H7: J9.9 T16.1 U2.128 | length 492.5
  Top Layer w10: U2.128@1693.78,2144.88 1725.59,2144.88 1840.55,2259.84 T16.1@2015.75,2259.84 2017.28,2258.31 J9.9@2137.98,2258.31
USART6_RX: T36.1 U2.123 | length 343.7
  Top Layer w10: U2.123@1693.78,2046.46 1727.56,2046.46 1767.94,2086.83 2003.72,2086.83 T36.1@2015.75,2074.8
USART6_TX: T35.1 U2.122 | length 381.9
  Top Layer w10: U2.122@1693.78,2026.77 1728.54,2026.77 1774.61,2072.83 1899.17,2072.83 1973,1999 T35.1@2026,1999
VDDA: C14.2 C15.2 C28.2 C29.2 FB1.1 R10.2 U2.40 | length 24.1
  Top Layer w13.78: FB1.1@364.88,1408.62 FB1.1@365.47,1408.62 ; C14.2@365.16,1343.5 C14.2@370.63,1348.98 ; C15.2@366.14,1267.72 C15.2@366.14,1269.68 ; C28.2@437.83,1325.98 C28.2@447.68,1325.98 ; R10.2@504.65,1456.85 R10.2@504.65,1458.82 ; C29.2@533.03,1321.89 C29.2@535,1321.89
pads on no net: MH1.1 MH2.1 MH3.1 MH4.1 U2.1 U2.2 U2.3 U2.9 U2.10 U2.11 U2.15 U2.20 U2.21 U2.22 U2.23 U2.28 U2.29 U2.30 U2.35 U2.36 U2.37 U2.43 U2.46 U2.53 U2.54 U2.55 U2.56 U2.57 U2.58 U2.59 U2.60 U2.63 U2.66 U2.67 U2.68 U2.69 U2.72 U2.77 U2.88 U2.89 U2.90 U2.91 U2.94 U2.98 U2.101 U2.102 U2.103 U2.104 U2.105 U2.106 U2.107 U2.108 U2.109 U2.110 U2.111 U2.114 U2.115 U2.116 U2.117 U2.124 U2.125 U2.127 U2.130 U2.131 U2.143 U2.144 U2.145 U2.146 U2.147 U2.150 U2.153 U2.154 U2.155 U2.156 U2.157 U2.158 U2.161 U2.163 U2.164 U2.168 U2.169 U4.2 U4.3 U4.4 U4.8 U4.9 U4.15 U4.16 U4.17 U4.20 U4.21 U4.24 U4.25 U4.26 U4.28 U4.30 U4.34 U4.41 U4.43 U4.45 U4.51 U4.52 U4.53 U4.54 U4.58 U4.59 Y1.1 Y2.1

## Polygon pours and split planes (outlines as drawn)
GND on Top Layer "GND_TOP" (solid, remove dead copper, pour order 24): 0,118.11 0,3228.35 cw(c118.11,3228.35) 118.11,3346.46 2874.02,3346.46 cw(c2874.02,3228.35) 2992.13,3228.35 2992.13,118.11 cw(c2874.02,118.11) 2874.02,0 118.11,0 cw(c118.11,118.11)
5V_PDB on Top Layer "5V_PDB_TOP" (solid, remove dead copper, pour order 15): 2992.13,3346.46 2992.13,2834.65 2559.06,2834.65 2519.68,2874.02 2519.68,3346.46
3V3 on Top Layer "3V3_TOP" (solid, remove dead copper, pour order 23): 2647.64,2444.88 2992.13,2444.88 2992.13,1909.45 2283.46,1909.45 2244.09,1948.82 2244.09,2145.67 2283.46,2185.04 2629.92,2185.04 2649.61,2204.72 2647.64,2206.69
5V on Top Layer "5V_TOP" (solid, remove dead copper, pour order 12): 2647.64,2828.74 2992.13,2828.74 2992.13,2594.49 2992.13,2444.88 2647.64,2444.88
VDDA on Top Layer "VDDA_TOP" (solid, remove dead copper, pour order 20): 689.96,1461.61 689.96,1449.8 642.72,1449.8 579.72,1386.81 579.72,1306.1 564.96,1291.34 411.42,1291.34 411.42,1289.37 397.64,1275.59 397.64,1238.19 385.83,1226.38 345.47,1226.38 332.68,1239.17 332.68,1477.36 352.36,1497.05 516.73,1497.05 530.51,1483.27 529.53,1482.28 529.53,1440.94 539.37,1431.1 587.6,1431.1 618.11,1461.61
3V3 on Layer 2 "3V3_Layer_2" (solid, pour order 21): 0,118.11 0,3228.35 cw(c118.11,3228.35) 118.11,3346.46 2874.02,3346.46 cw(c2874.02,3228.35) 2992.13,3228.35 2992.13,118.11 cw(c2874.02,118.11) 2874.02,0 118.11,0 cw(c118.11,118.11)
5V on Layer 2 "5V_Layer_2" (solid, pour order 19): 2992.13,3346.46 2992.13,0 1220.47,0 1220.47,354.33 1299.21,433.07 2440.94,433.07 2519.68,511.81 2519.68,3346.46
GND on Layer 1 "GND_Layer_1" (solid, pour order 18): 0,118.11 0,3228.35 cw(c118.11,3228.35) 118.11,3346.46 2874.02,3346.46 cw(c2874.02,3228.35) 2992.13,3228.35 2992.13,118.11 cw(c2874.02,118.11) 2874.02,0 118.11,0 cw(c118.11,118.11)
GND on Bottom Layer "GND_BOT" (solid, remove dead copper, pour order 22): 0,118.11 0,3228.35 cw(c118.11,3228.35) 118.11,3346.46 2874.02,3346.46 cw(c2874.02,3228.35) 2992.13,3228.35 2992.13,118.11 cw(c2874.02,118.11) 2874.02,0 118.11,0 cw(c118.11,118.11)

## Keep-outs
Keep-Out Layer:
  the board outline again, w10

## Silkscreen, mask and mechanical layers (free items; w line width, h text height)
Top Overlay:
  drawing of 45 lines, arcs and shapes, not listed
  text "GND" at 2456.69,3330.29 h39.37 r180
  text "5V" at 2641.73,3330.29 h39.37 r180
  text "ECHO" at 570.71,3291.98 h39.37
  text "3V3" at 384.02,3291.34 h39.37
  text "TRIG" at 476.38,3291.76 h39.37
  text "GND" at 681.45,3291.56 h39.37
  text "3V3" at 868.27,3216.54 h39.37
  text "GND" at 860.38,3114.17 h39.37
  text "GND" at 116.28,3070.87 h39.37
  text "3V3" at 220.47,3070.87 h39.37
  text "NRST" at 305.78,3070.87 h39.37
  text "SWO" at 411.51,3070.87 h39.37
  text "CLK" at 490.22,3070.87 h39.37
  text "DIO" at 593.91,3070.87 h39.37
  text "TX" at 889.76,3015.75 h39.37
  text "H7 SWD" at 88.16,2914.37 h39.37 r90
  text "RX" at 889.76,2913.39 h39.37
  text "3V3" at 2331.26,2866.14 h39.37
  text "5V" at 2415.03,2866.14 h39.37
  text "SDA" at 118.11,2744.51 h39.37
  text "3V3" at 220.47,2744.09 h39.37
  text "GND" at 313.13,2744.09 h39.37
  text "SCL" at 421.26,2744.51 h39.37
  text "RESET H7" at 86.61,1771.65 h39.37 r90
  text "SDA" at 118.11,1129.92 h39.37
  text "3V3" at 222.16,1129.92 h39.37
  text "GND" at 317.07,1129.92 h39.37
  text "SCL" at 421.26,1129.92 h39.37
  text "GND" at 1292.86,1049.21 h39.37
  text "3V3" at 1397.05,1049.21 h39.37
  text "NRST" at 1482.35,1049.21 h39.37
  text "CLK" at 1568.37,1049.21 h39.37
  text "DIO" at 1672.06,1049.21 h39.37
  text "F0 SWD" at 1243.68,893.7 h39.37 r90
  text "Zeropilot / Daniel Puratich / Kiran Surendan / Kevin Li / Dec 2021 / Rev 2" at 2377.95,598.43 h50
  text "SIG" at 1240.16,295.69 h39.37
  text "RESET F0" at 47.24,283.46 h39.37 r90
  text "5V" at 1255.91,197.27 h39.37
  text "GND" at 1224.41,94.91 h39.37
  text "SCK" at 641.73,20.1 h39.37
  text "MOSI" at 736.22,20.1 h39.37
  text "MISO" at 834.65,20.1 h39.37
  text "NSS" at 940.94,20.1 h39.37
  text "NSS" at 1043.31,20.1 h39.37